# Altium PCB PCB.PcbDoc (part 1 of 4)
Units mm, origin at the board's own origin, x right, y up, seen from the top; angles counter-clockwise.
Board outline 133.1 x 64.1 mm, 6 copper layers (Top Layer, L02_GND1, L03_PWR1, L04_PWR2, L05_GND2, Bottom Layer), stack 2.464 mm thick; 271 components, 175 nets, 879 pads, 570 vias.
Unrouted connection lines stored in the file: 34.
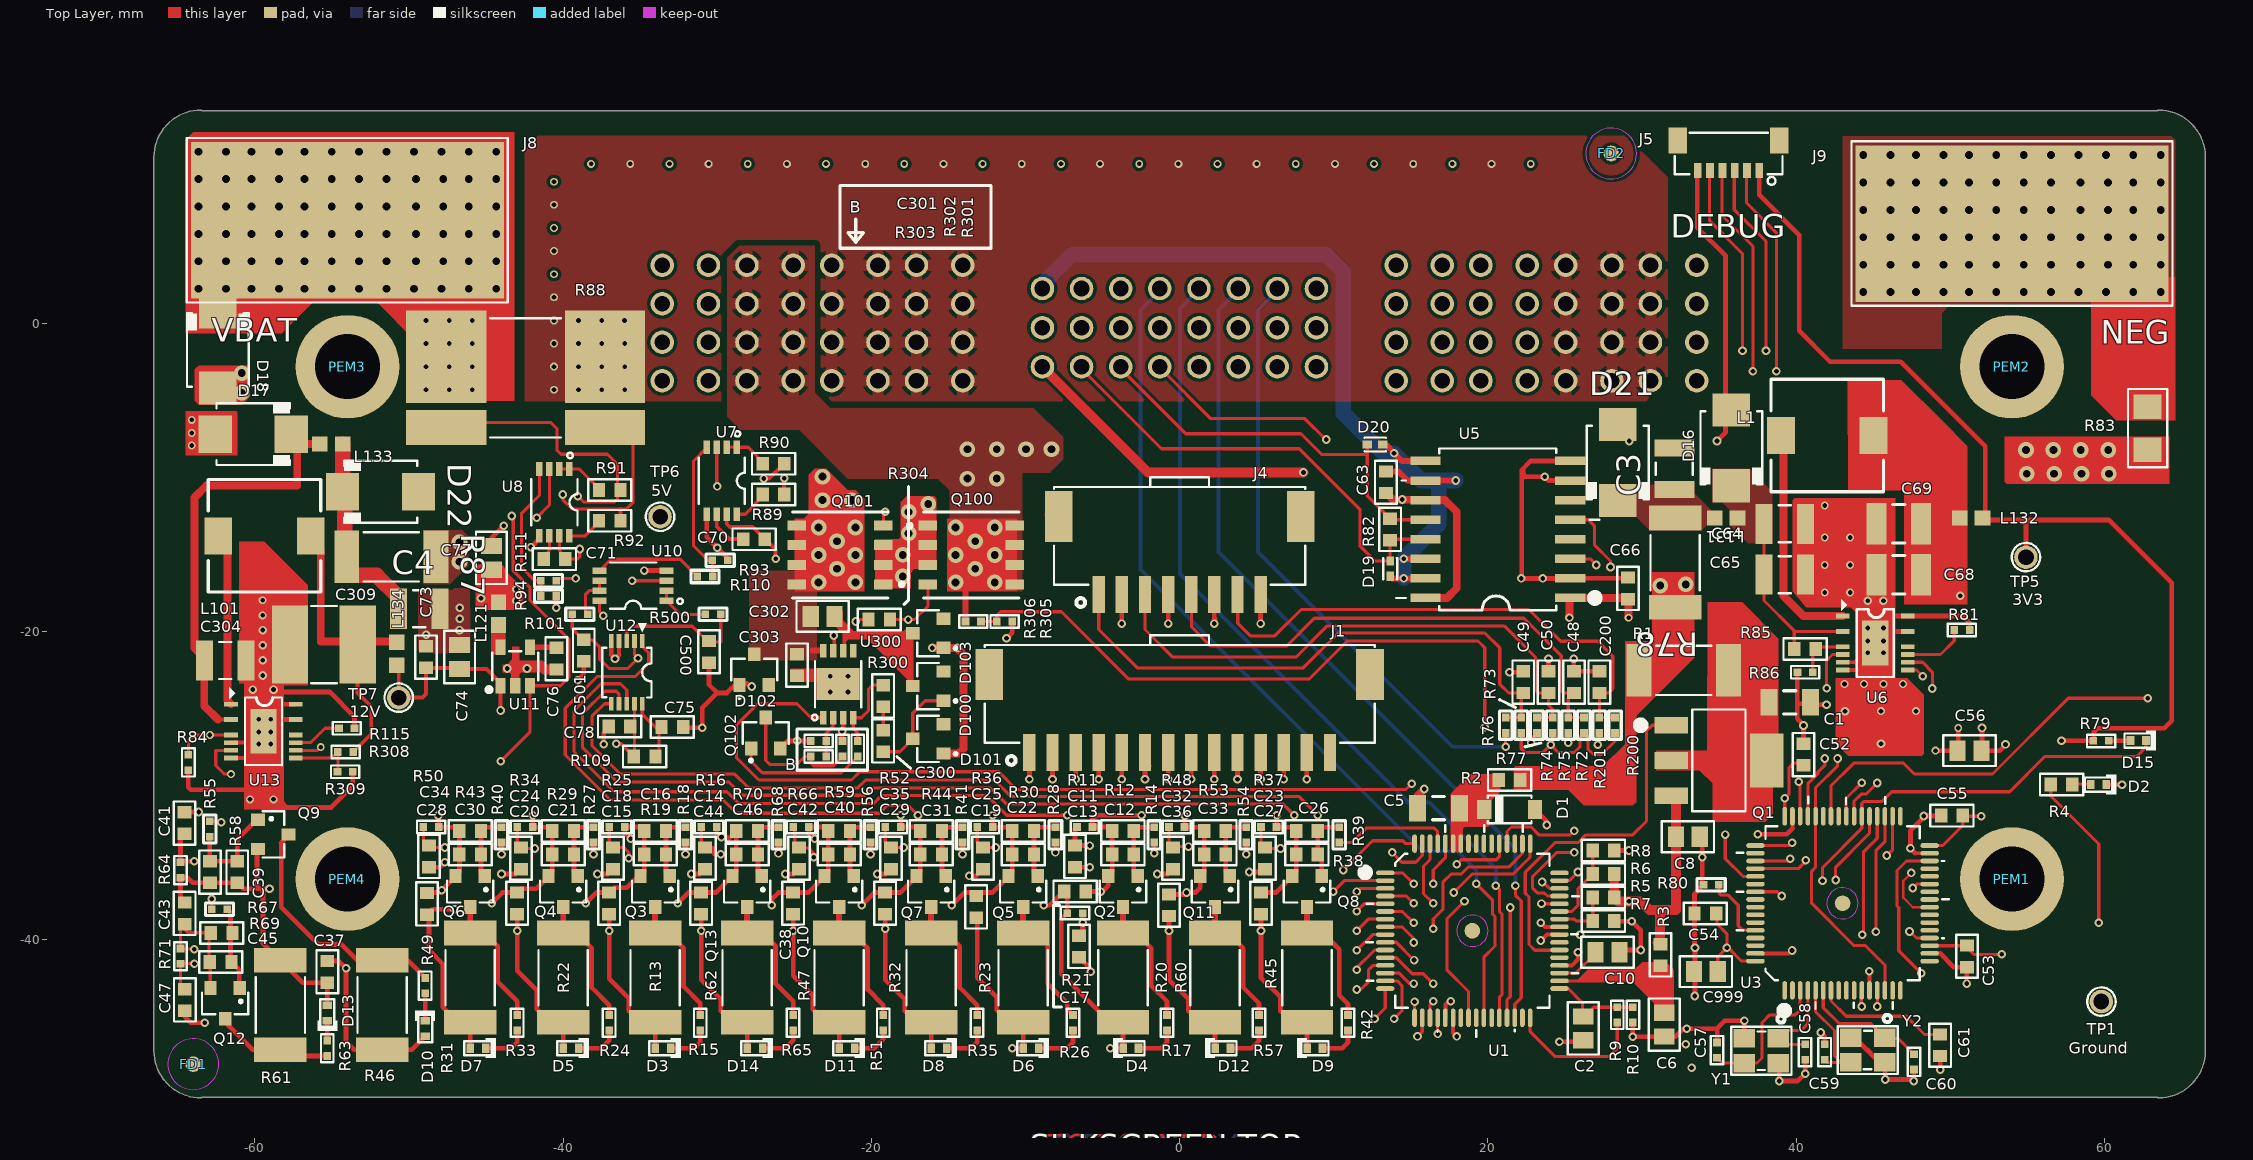
[diagram p0: Top Layer view]
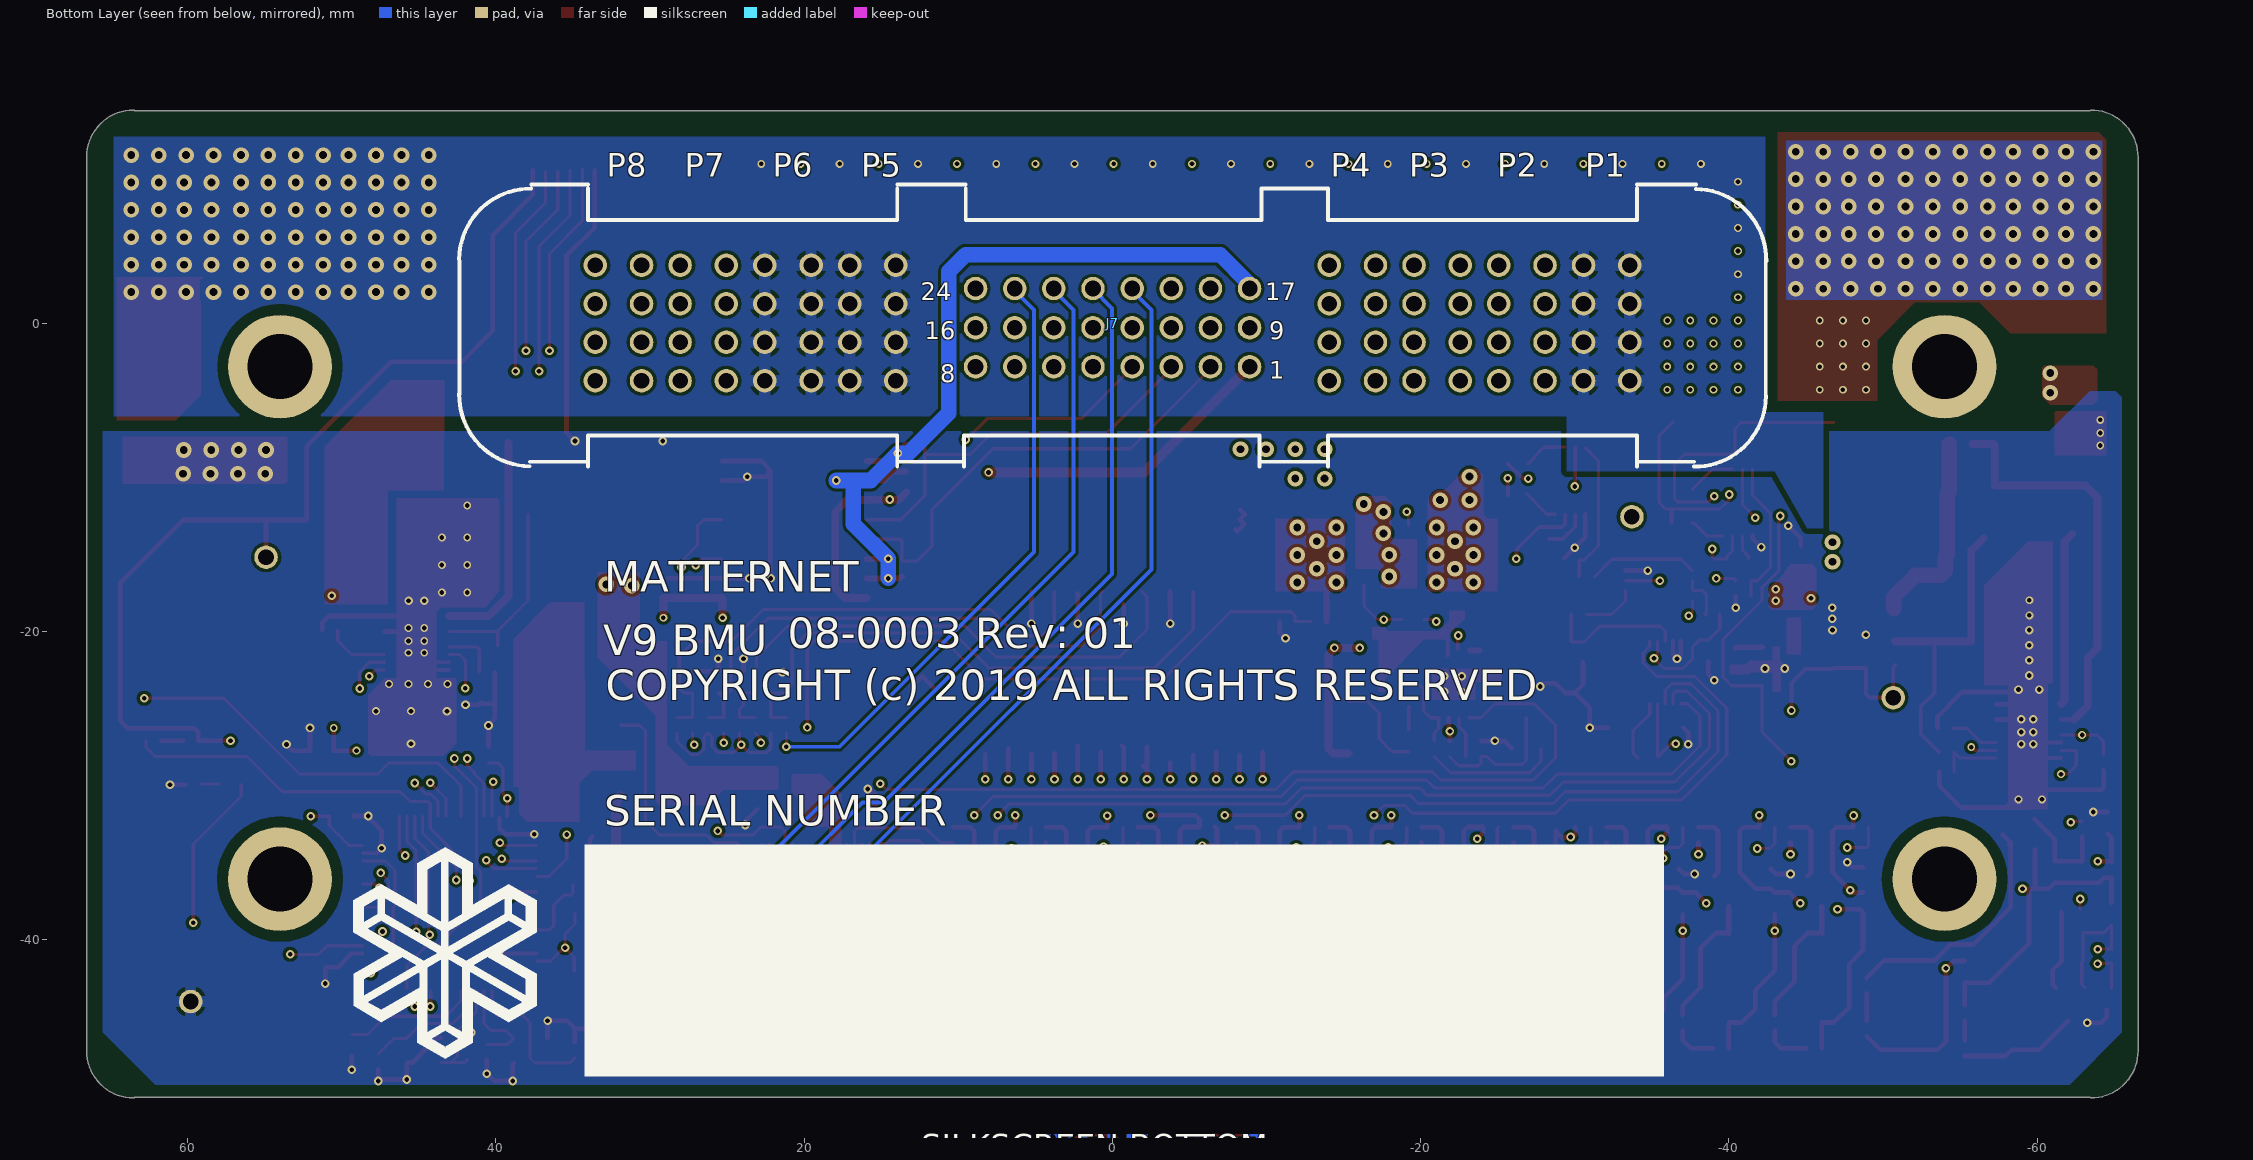
[diagram p1: Bottom Layer view, seen from below]
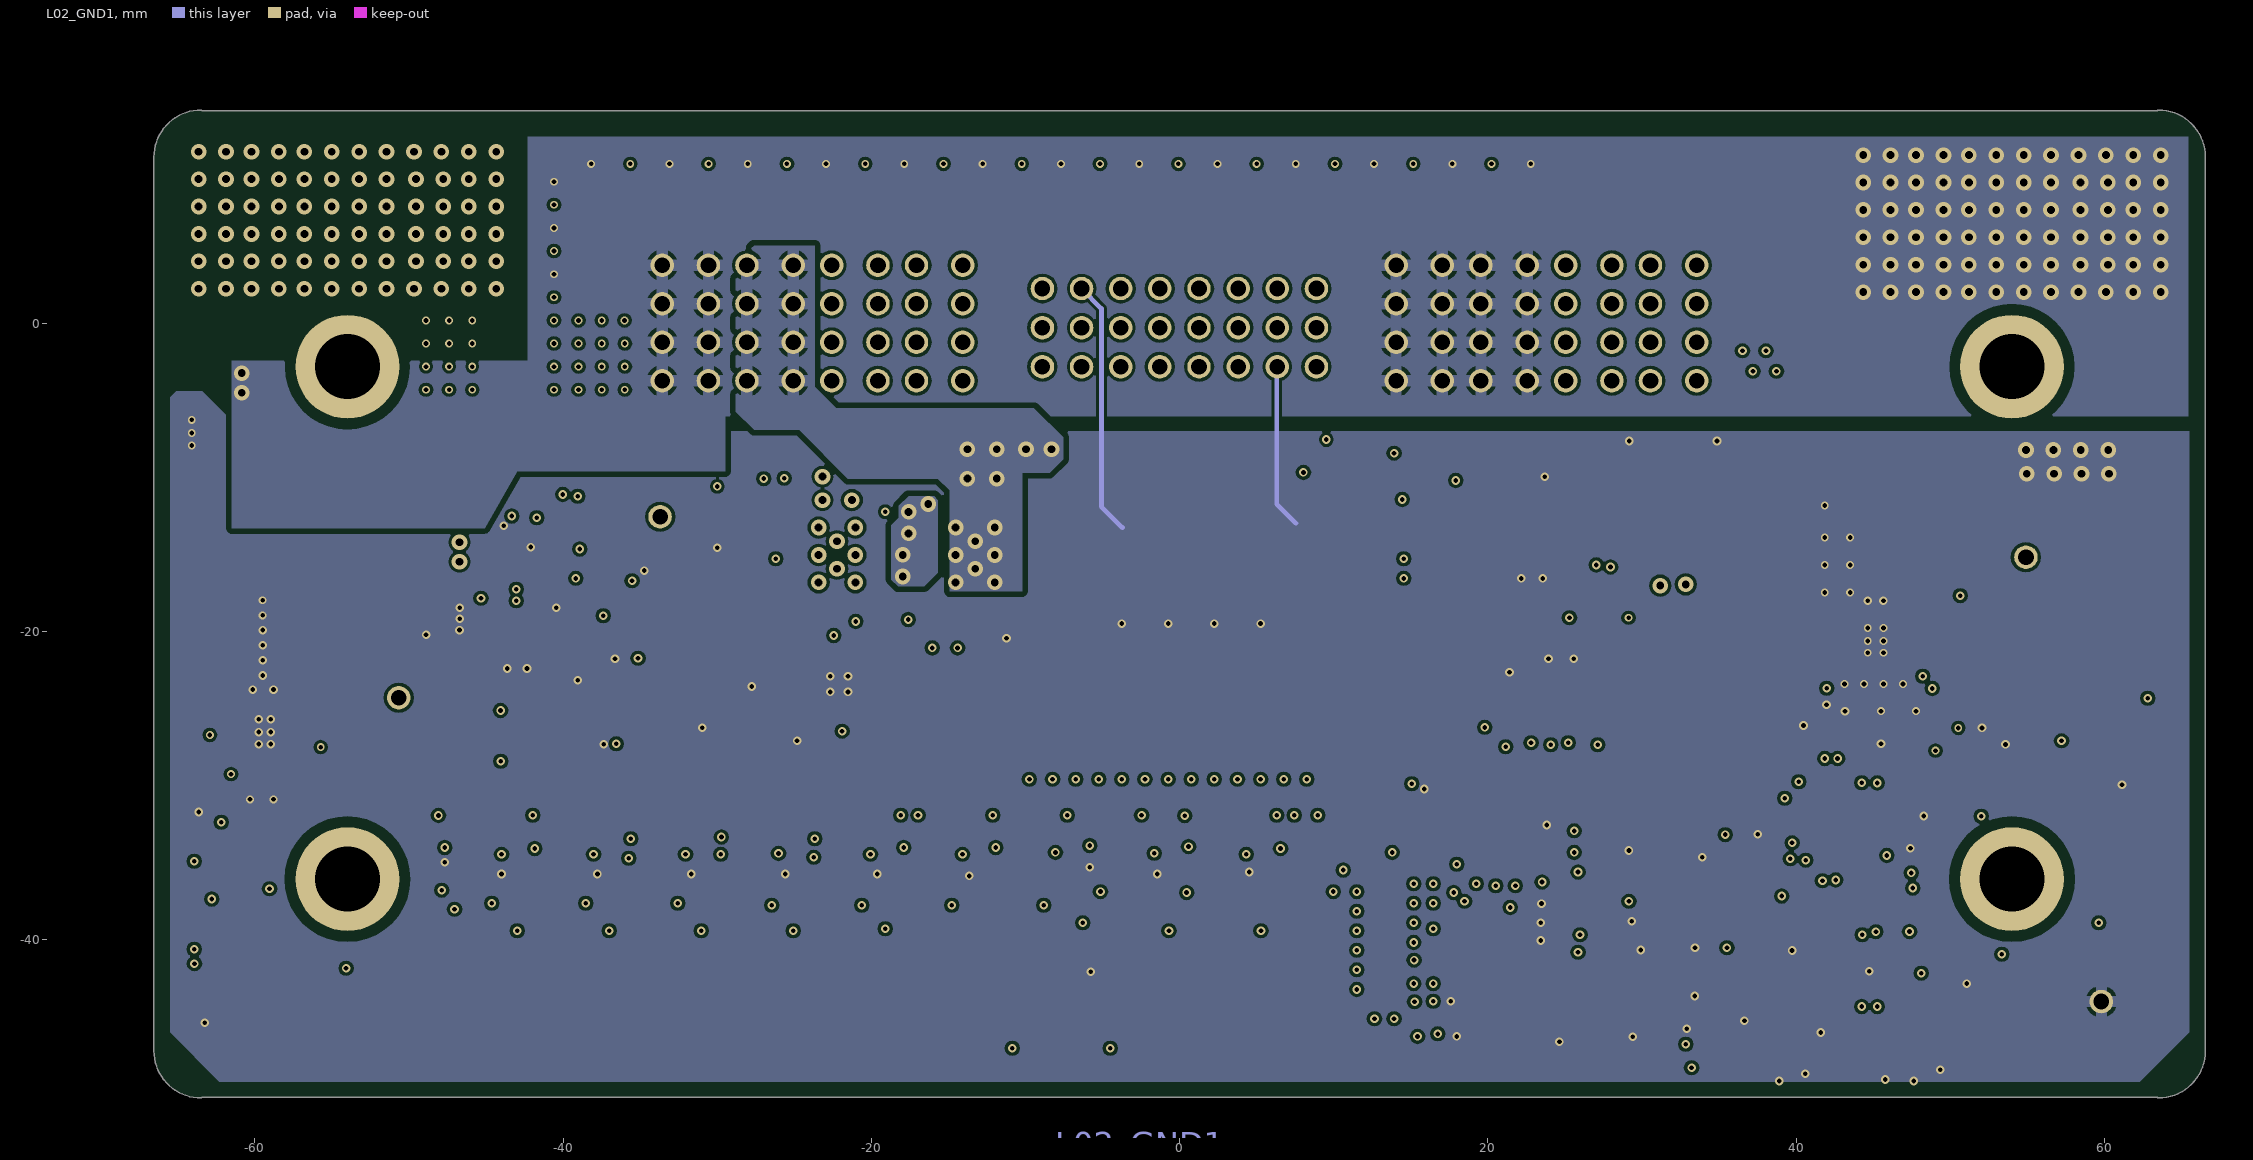
[diagram p2: L02_GND1]
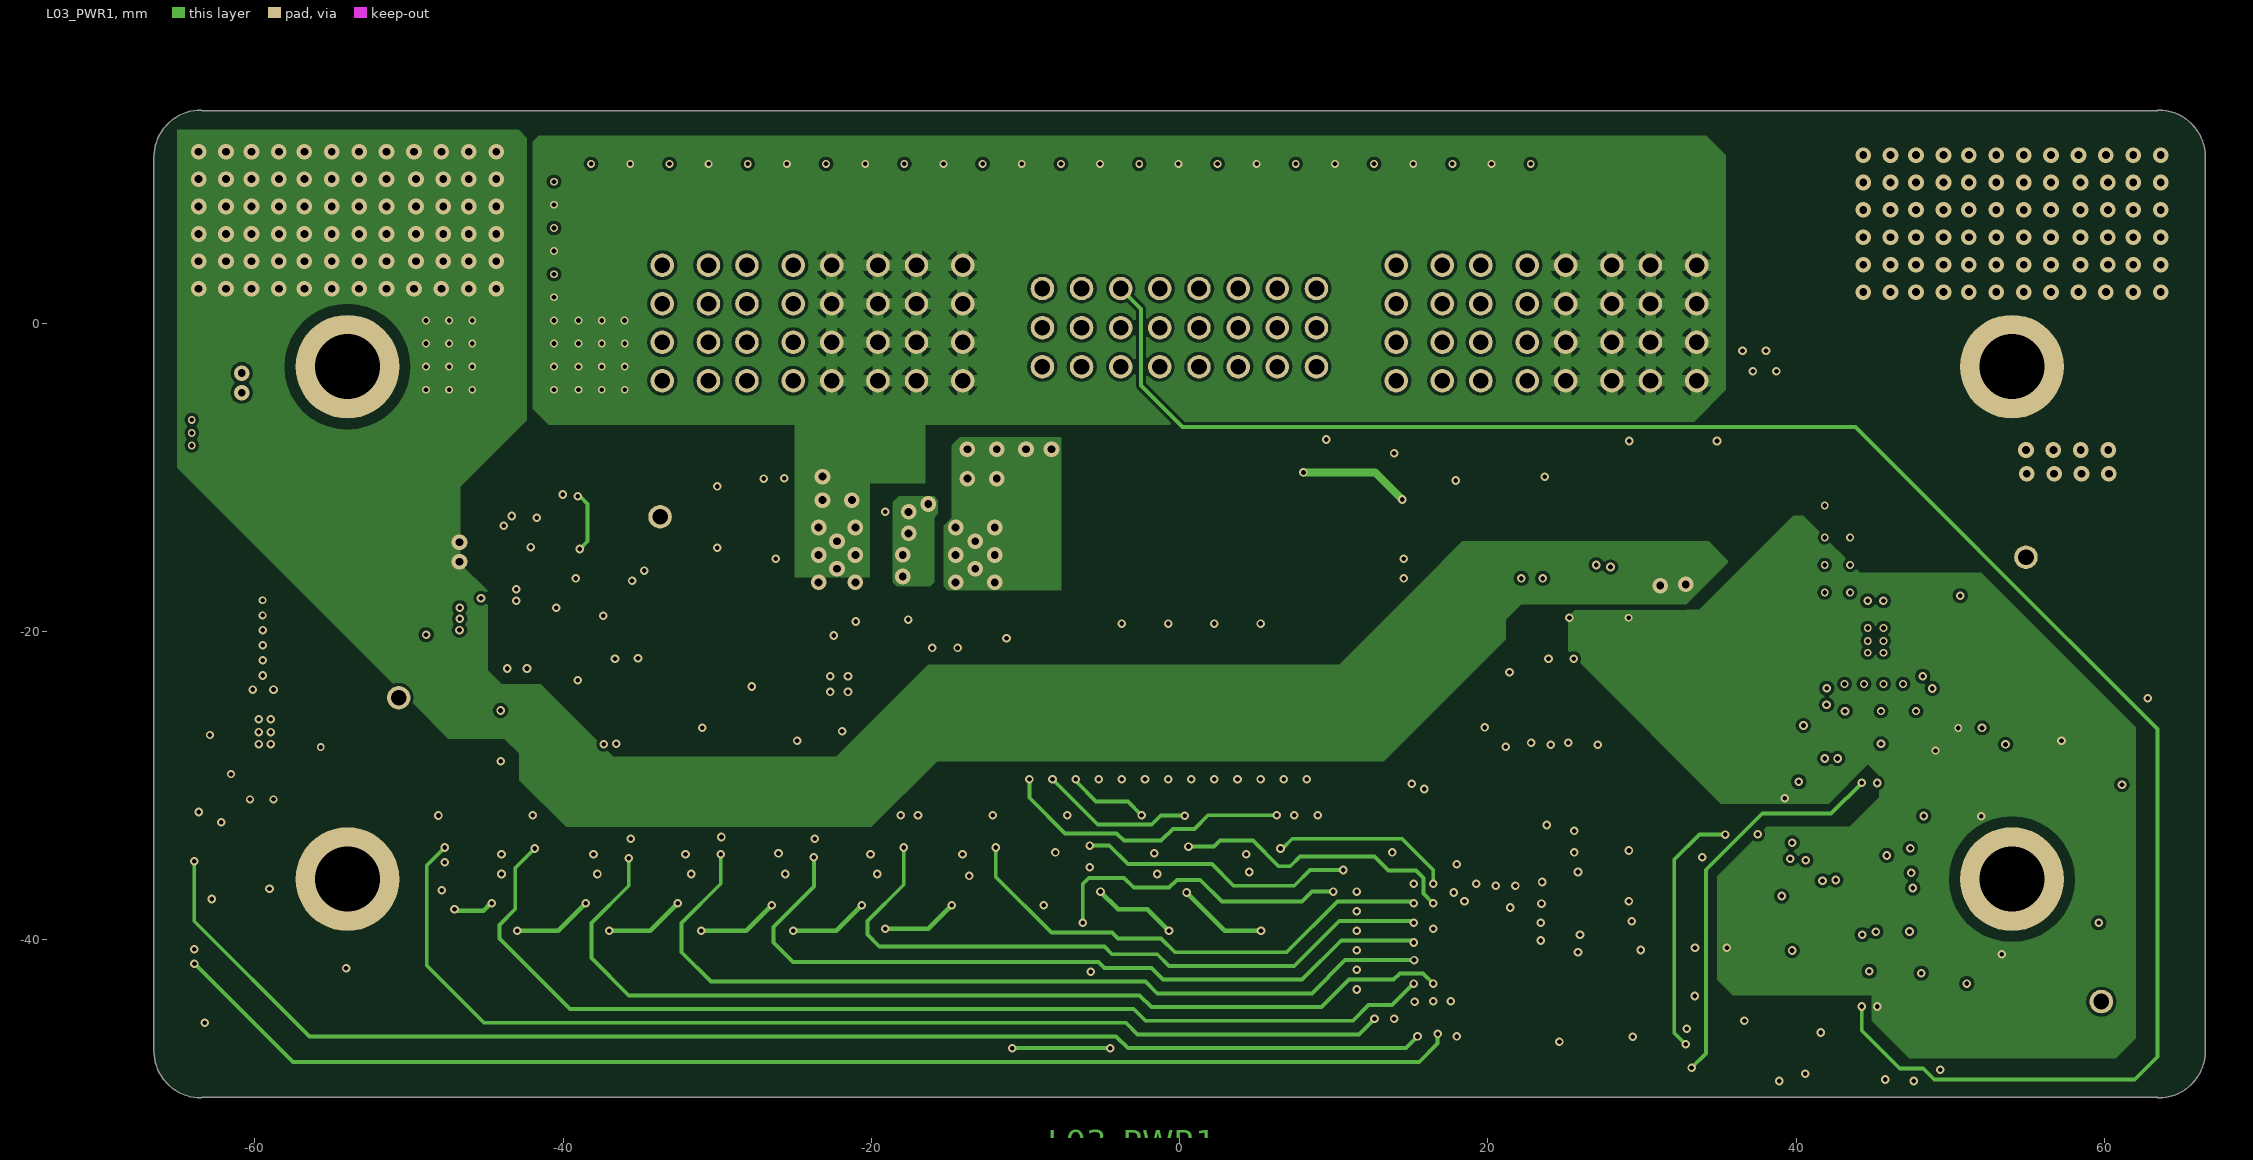
[diagram p3: L03_PWR1]
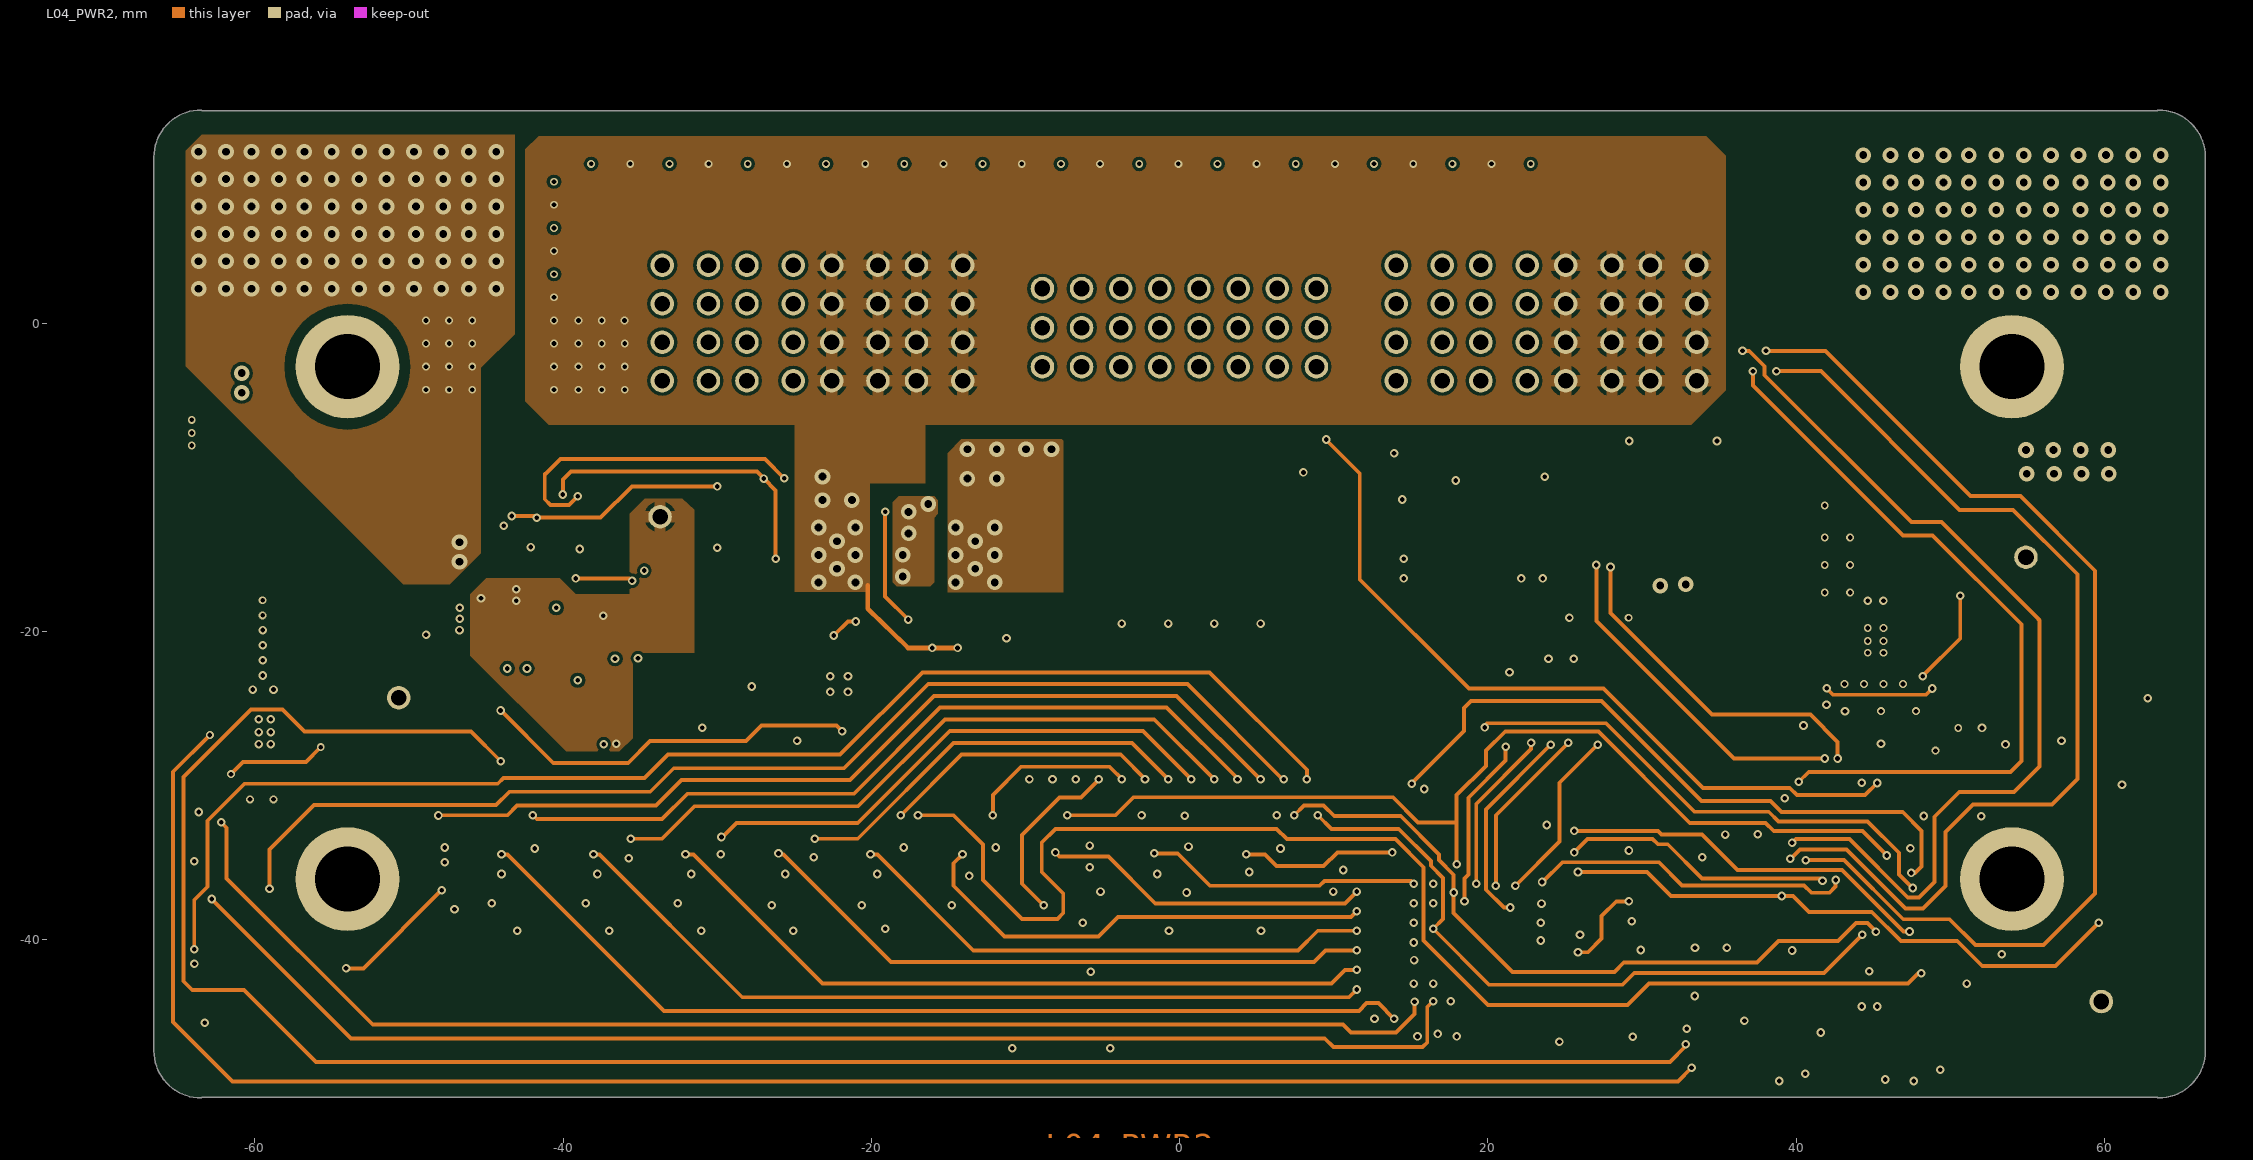
[diagram p4: L04_PWR2]
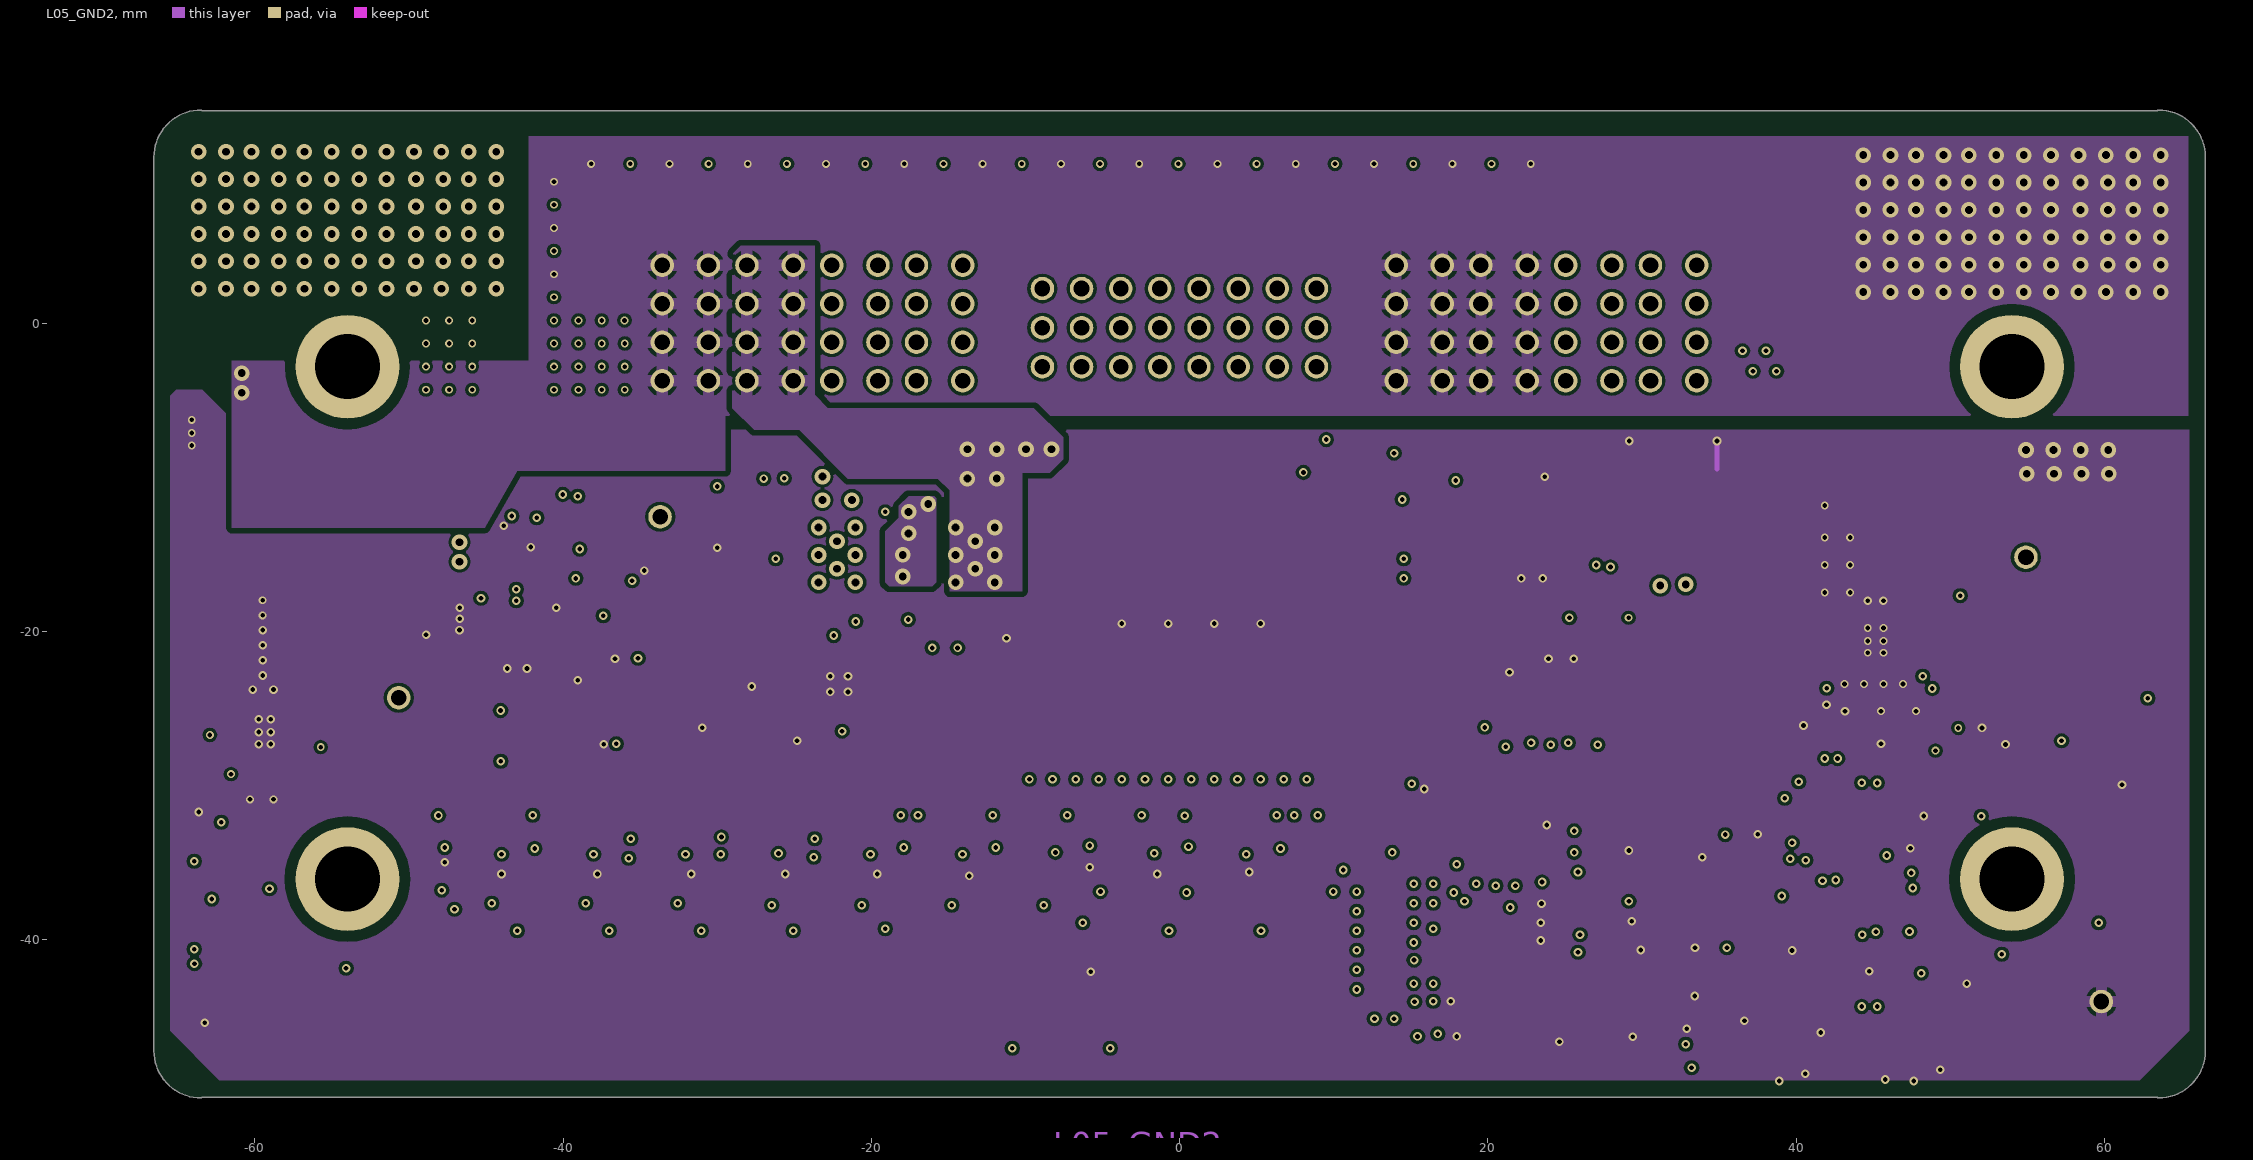
[diagram p5: L05_GND2]
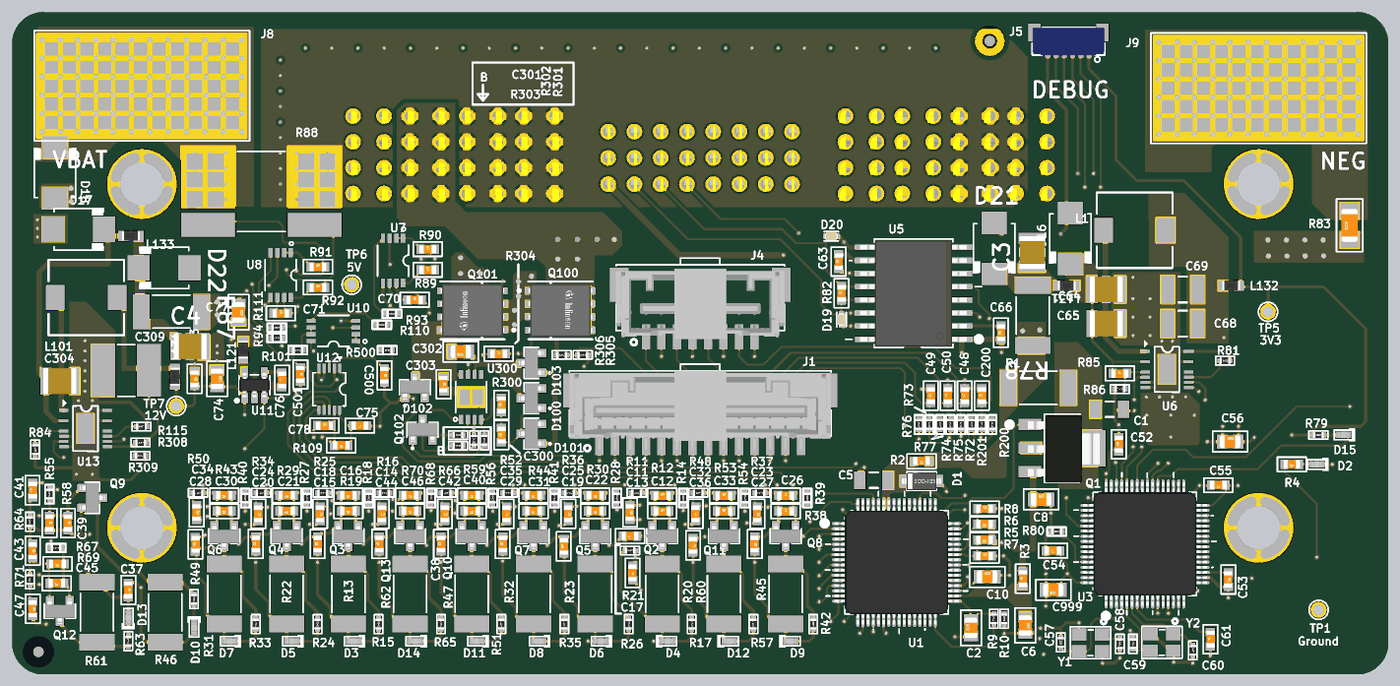
[diagram p9: 3D render of the assembled board from above, using the file's embedded part models]

## Layer stack, top to bottom
Top Solder: solder mask 0.0203, Solder Resist, Dk 3.5
Top Layer: signal copper 0.0838
Dielectric 1: prepreg 0.4064, FR-4, Dk 4.3
L02_GND1: signal copper 0.066
Dielectric 2: core 0.4064, FR-4, Dk 4.3
L03_PWR1: signal copper 0.066
Dielectric 3: prepreg 0.4064, FR-4, Dk 4.3
L04_PWR2: signal copper 0.066
Dielectric 4: core 0.4064, FR-4, Dk 4.3
L05_GND2: signal copper 0.066
Dielectric 5: prepreg 0.4064, FR-4, Dk 4.3
Bottom Layer: signal copper 0.0838
Bottom Solder: solder mask 0.0203, Solder Resist, Dk 3.5

## Board outline
-66.55,-47.23 ccw(c-63.5,-47.23) -63.5,-50.28 ccw(c-63.5,-50.23) -63.45,-50.231 63.45,-50.231 ccw(c63.5,-50.23) 63.5,-50.28 ccw(c63.5,-47.23) 66.55,-47.231 ccw(c63.5,-47.23) 66.55,-47.23 66.55,10.77 ccw(c66.5,10.77) 66.55,10.771 ccw(c63.5,10.77) 63.5,13.82 ccw(c63.5,13.77) 63.45,13.771 -63.45,13.771 ccw(c-63.5,13.77) -63.5,13.82 ccw(c-63.5,10.77) -66.55,10.77
